# Altium PCB Cabinet_Device.PcbDoc (part 5 of 6)
Units mil, origin at the board's own origin, x right, y up, seen from the top; angles counter-clockwise.
Board outline 9999.43 x 4132.85 mil, 4 copper layers (Top Layer, Ground, Internal Plane 1, Bottom Layer), stack 30.634 mil thick; 517 components, 341 nets, 1478 pads, 1628 vias.
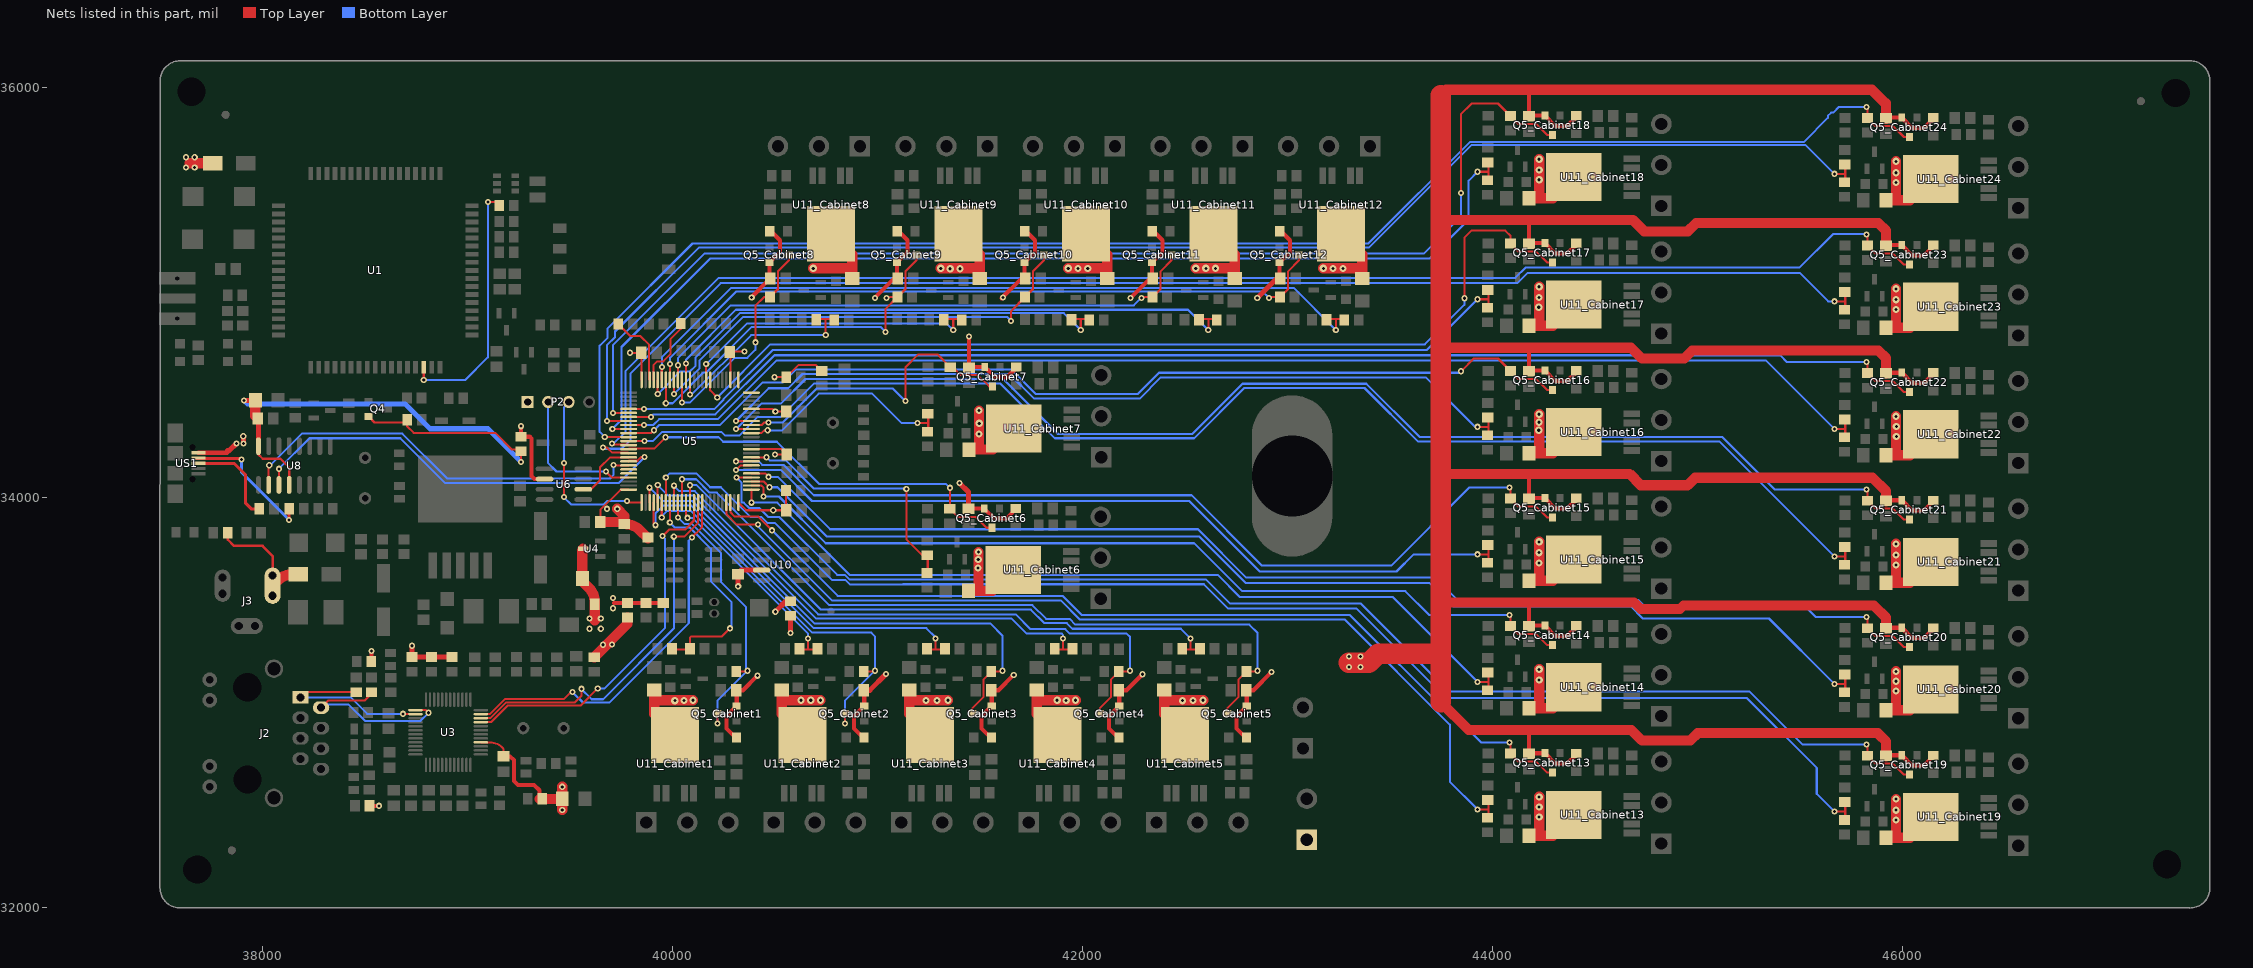
[diagram p7: the nets of this part, all layers, seen from the top]

## Via types
v1: diameter 30, hole 15, Top Layer to Bottom Layer, 1557 vias
v2: diameter 35, hole 15, Top Layer to Bottom Layer, 69 vias
v3: diameter 50, hole 28, Top Layer to Bottom Layer, 1 vias
v4: diameter 30, hole 15, Top Layer to Bottom Layer, tented both sides, 1 vias

## Nets (pads, with @x,y where several pads share a name; then routed paths per layer and width w, separated by ;. In a path a pad name is that pad's centre, name@x,y a point inside that pad or via, vN(x,y) a via of type N, cw(c..) or ccw(c..) an arc to the next point about the centre after c; other vN are vias at no path point) (continued)
SPI3_MISO: U3.34 U5.90 | length 1878.7
  Top Layer w10: U3.34@39064.88,32923.9 39111.2,32923.9 39188.3,33001 39524,33001 39555,33032 v1(39555,33067) ; v1(40006,33809) 40056.37,33809 40124.37,33877 U5.90@40124.37,33975.79
  Bottom Layer w10: v1(39555,33067) 39555,33066.23 39605.23,33016 39661,33016 40006,33361 v1(40006,33809)
SPI3_MOSI: U3.35 U5.91 | length 1853.1
  Top Layer w10: U3.35@39064.88,32943.58 39108.26,32943.58 39181.67,33017 39469,33017 v1@39507.5,33055.5 ; v1(40094,33805) 40144.06,33855.06 U5.91@40144.06,33975.79
  Bottom Layer w10: v1(39512,33051) 39563,33000 39667.63,33000 39668.63,33001 39693,33001 40079,33387 40079,33790 v1(40094,33805)
SPI3_SCK: U3.33 U5.89 | length 1816.1
  Top Layer w10: U3.33@39064.88,32904.21 39114.14,32904.21 39194.93,32985 39551,32985 v1(39635,33069) ; v1(39951,33812) 39983,33844 40061,33844 40104.68,33887.68 U5.89@40104.68,33975.79
  Bottom Layer w10: v1(39635,33069) 39669,33069 39964,33364 39964,33799 v1(39951,33812)
TCK/SWCLK: P2.3 U5.76 | length 878.1
  Top Layer w10: v1(39470,34002) v1(39470,34168) ; v1(39777,33983) 39784.21,33975.79 U5.76@39848.78,33975.79
  Bottom Layer w10: v1(39470,34002) 39507,33965 39663.23,33965 39681.23,33983 v1(39777,33983) ; v1(39470,34168) 39470,34443 P2.3@39493,34466
TMS/SWDIO: P2.2 U5.72 | length 720.7
  Top Layer w10: v1(39675,34127) 39704.17,34097.83 U5.72@39785.79,34097.83
  Bottom Layer w10: P2.2@39393,34466 39392,34465 39392,34169 39434,34127 v1(39675,34127)
TXN: J2.2 R30.1 U3.1 | length 932.2
  Top Layer w10: J2.2@38285.35,32975.24 38320.12,33010 38499,33010 38531.35,33042.35 R30.1@38531.35,33050.8 ; U3.1@38745.98,32963.27 38796.73,32963.27 v1(38810,32950)
  Bottom Layer w10: J2.2@38285.35,32975.24 38300.12,32990 38420,32990 38500,32910 38770,32910 v1(38810,32950)
TXP: J2.1 R29.1 U3.2 | length 876
  Top Layer w10: J2.1@38185.35,33025.24 38210.92,33050.8 R29.1@38456.35,33050.8 ; v1(38685,32945) 38686.42,32943.58 U3.2@38745.98,32943.58
  Bottom Layer w10: J2.1@38185.35,33025.24 38429.76,33025.24 38510,32945 v1(38685,32945)
USART1_RX: U5.69 U8.2 | length 2064.1
  Top Layer w10: U8.2@38030,34061.51 38030,34154.72 v1(38032.64,34157.36) ; v1(39711,34159) 39713.11,34156.89 U5.69@39785.79,34156.89
  Bottom Layer w10: v1(38032.64,34157.36) 38034.74,34155.26 38191.47,34312 38682,34312 38901,34093 39695,34093 39711,34109 v1(39711,34159)
USART1_TX: U5.68 U8.3 | length 2152.2
  Top Layer w10: U8.3@38080,34061.51 v1(38080,34140) ; U5.68@39785.79,34176.57 39788.57,34179.35 39828.22,34179.35 39845.87,34197 v1(39863,34197)
  Bottom Layer w10: v1(38080,34140) 38229,34289 38672.47,34289 38891.47,34070 39736,34070 v1(39863,34197)
USART2_RX: U5.26
USART2_TX: U5.25
USART3_RX: R12.1 U5.48 | length 364.1
  Top Layer w10: R12.1@39735,34846.34 39793.34,34788 39842,34788 39885.81,34744.19 39885.81,34576.55 U5.48@39888.15,34574.21
USART3_TX: R13.1 U5.47 | length 347.2
  Top Layer w10: U5.47@39907.83,34574.21 39907.83,34646.83 39925,34664 39955,34664 39989,34698 39989,34772 40040.13,34823.13 R13.1@40040.13,34849
USB1_N: R50.2 US1.2 | length 680.9
  Top Layer w15: US1.2@37663.87,34190.59 37891.41,34190.59 v1(37897,34185) ; v1(38129.57,33890.43) R50.2@38129.57,33945
  Bottom Layer w15: v1(37897,34185) 37897,34123 v1(38129.57,33890.43)
USB1_P: R51.2 US1.3 | length 492.7
  Top Layer w15: US1.3@37663.87,34165 37863,34165 37916,34112 37916,33974 37945,33945 R51.2@37984.57,33945
USB_DM: U5.70
USB_DP: U5.71
VCC4V2: CP2.1 D1.1 LR8.2 U4.3 US1.1 | length 732.2
  Top Layer w20: US1.1@37686.87,34218.18 37827.18,34218.18 37837.99,34228.99
  Top Layer w25: 37830,34228.99 37837.99,34228.99 v1(37872.5,34263.5) ; v1(37906,34299) 37907.5,34297.5 v1(37907.5,34263.5)
  Top Layer w50: 37644.09,35630.5 D1.1@37757.29,35630.5 ; U4.3@39563.66,33750 ccw(c39572.79,33740.87) 39559.88,33740.87 CP2.1@39559.88,33605 ccw(c39592.77,33605) 39569.51,33581.74 39591.14,33560.12 cw(c39520.43,33489.4) 39620.43,33489.4 LR8.2@39620.43,33480 39620.43,33401.05 cw(c39618.95,33401.05) 39620,33400
  other v1: 39595,33360 39650,33360 39595,33410 39650,33410 37626,35609.59 37669,35609.59 37626,35659.59 37669,35659.59
VCC12V: CP5_Cabinet1.1 CP5_Cabinet2.1 CP5_Cabinet3.1 CP5_Cabinet4.1 CP5_Cabinet5.1 CP5_Cabinet6.1 CP5_Cabinet7.1 CP5_Cabinet8.1 CP5_Cabinet9.1 CP5_Cabinet10.1 CP5_Cabinet11.1 CP5_Cabinet12.1 CP5_Cabinet13.1 CP5_Cabinet14.1 CP5_Cabinet15.1 CP5_Cabinet16.1 CP5_Cabinet17.1 CP5_Cabinet18.1 CP5_Cabinet19.1 CP5_Cabinet20.1 CP5_Cabinet21.1 CP5_Cabinet22.1 CP5_Cabinet23.1 CP5_Cabinet24.1 D4.1 J3.1 J3.1A J3.1B P4.1 R53.1 U11_Cabinet1.3 U11_Cabinet2.3 U11_Cabinet3.3 U11_Cabinet4.3 U11_Cabinet5.3 U11_Cabinet6.3 U11_Cabinet7.3 U11_Cabinet8.3 U11_Cabinet9.3 U11_Cabinet10.3 U11_Cabinet11.3 U11_Cabinet12.3 U11_Cabinet13.3 U11_Cabinet14.3 U11_Cabinet15.3 U11_Cabinet16.3 U11_Cabinet17.3 U11_Cabinet18.3 U11_Cabinet19.3 U11_Cabinet20.3 U11_Cabinet21.3 U11_Cabinet22.3 U11_Cabinet23.3 U11_Cabinet24.3 | length 14665.8
  Top Layer w12: R53.1@37830.43,33828 37830.43,33794.57 37861,33764 38000,33764 38049.37,33714.63 J3.1B@38049.37,33619.21
  Top Layer w20: U11_Cabinet1.3@39910.57,32745.43 39910,32746 39910,32837.43 U11_Cabinet1.3@39938.57,32866 ; U11_Cabinet2.3@40532.57,32745.43 40532,32746 40532,32837.43 U11_Cabinet2.3@40560.57,32866 ; U11_Cabinet8.3@40847.43,35263 40876,35291.57 40876,35383 U11_Cabinet8.3@40875.43,35383.57 ; U11_Cabinet3.3@41154.57,32745.43 41154,32746 41154,32837.43 U11_Cabinet3.3@41182.57,32866 ; U11_Cabinet9.3@41469.43,35263 41498,35291.57 41498,35383 U11_Cabinet9.3@41497.43,35383.57 ; U11_Cabinet6.3@41637.54,33572.76 41666.1,33544.2 41757.54,33544.2 U11_Cabinet6.3@41758.1,33544.76 ; U11_Cabinet7.3@41640,34262.57 41668.57,34234 41760,34234 U11_Cabinet7.3@41760.57,34234.57 ; U11_Cabinet4.3@41776.57,32745.43 41776,32746 41776,32837.43 U11_Cabinet4.3@41804.57,32866 ; U11_Cabinet10.3@42091.43,35263 42120,35291.57 42120,35383 U11_Cabinet10.3@42119.43,35383.57 ; U11_Cabinet5.3@42398.57,32745.43 42398,32746 42398,32837.43 U11_Cabinet5.3@42426.57,32866 ; U11_Cabinet11.3@42713.43,35263 42742,35291.57 42742,35383 U11_Cabinet11.3@42741.43,35383.57 ; U11_Cabinet12.3@43335.43,35263 43364,35291.57 43364,35383 U11_Cabinet12.3@43363.43,35383.57 ; U11_Cabinet13.3@44372,32378.57 44400.57,32350 44492,32350 U11_Cabinet13.3@44492.57,32350.57 ; U11_Cabinet14.3@44372,33000.57 44400.57,32972 44492,32972 U11_Cabinet14.3@44492.57,32972.57 ; U11_Cabinet15.3@44372,33622.57 44400.57,33594 44492,33594 U11_Cabinet15.3@44492.57,33594.57 ; U11_Cabinet16.3@44372,34244.57 44400.57,34216 44492,34216 U11_Cabinet16.3@44492.57,34216.57 ; U11_Cabinet17.3@44372,34866.57 44400.57,34838 44492,34838 U11_Cabinet17.3@44492.57,34838.57 ; U11_Cabinet18.3@44372,35488.57 44400.57,35460 44492,35460 U11_Cabinet18.3@44492.57,35460.57 ; U11_Cabinet19.3@46113,32368.57 46141.57,32340 46233,32340 U11_Cabinet19.3@46233.57,32340.57 ; U11_Cabinet20.3@46113,32990.57 46141.57,32962 46233,32962 U11_Cabinet20.3@46233.57,32962.57 ; U11_Cabinet21.3@46113,33612.57 46141.57,33584 46233,33584 U11_Cabinet21.3@46233.57,33584.57 ; U11_Cabinet22.3@46113,34234.57 46141.57,34206 46233,34206 U11_Cabinet22.3@46233.57,34206.57 ; U11_Cabinet23.3@46113,34856.57 46141.57,34828 46233,34828 U11_Cabinet23.3@46233.57,34828.57 ; U11_Cabinet24.3@46113,35478.57 46141.57,35450 46233,35450 U11_Cabinet24.3@46233.57,35450.57
  Top Layer w50: J3.1A@38049.37,33520.79 J3.1@38049.37,33570 38075.08,33595.71 cw(c38145.79,33525) D4.1@38145.79,33625 ; CP5_Cabinet1.1@39910.13,33060.88 39910.13,33022 ; U11_Cabinet1.3@40012.57,32842 39910.13,32944.43 39910.13,33022 ; v2(40100,33011) 39921.13,33011 39910.13,33022 ; CP5_Cabinet2.1@40532.13,33060.88 40532.13,33022 ; U11_Cabinet2.3@40634.57,32842 40532.13,32944.43 40532.13,33022 ; v2(40686,35118) 40864.87,35118 40875.87,35107 ; v2(40722,33011) 40543.13,33011 40532.13,33022 ; U11_Cabinet8.3@40773.43,35287 40875.87,35184.57 40875.87,35107 ; CP5_Cabinet8.1@40875.87,35068.12 40875.87,35107 ; CP5_Cabinet3.1@41154.13,33060.88 41154.13,33022 ; U11_Cabinet3.3@41256.57,32842 41154.13,32944.43 41154.13,33022 ; v2(41308,35118) 41486.87,35118 41497.87,35107 ; v2(41344,33011) 41165.13,33011 41154.13,33022 ; U11_Cabinet9.3@41395.43,35287 41497.87,35184.57 41497.87,35107 ; CP5_Cabinet6.1@41442.65,33544.33 41481.54,33544.33 ; CP5_Cabinet7.1@41445.12,34234.13 41484,34234.13 ; v2(41492.54,33734.2) 41492.54,33555.33 41481.54,33544.33 ; v2(41495,34424) 41495,34245.13 41484,34234.13 ; CP5_Cabinet9.1@41497.87,35068.12 41497.87,35107 ; U11_Cabinet6.3@41661.54,33646.76 41559.1,33544.33 41481.54,33544.33 ; U11_Cabinet7.3@41664,34336.57 41561.57,34234.13 41484,34234.13 ; CP5_Cabinet4.1@41776.13,33060.88 41776.13,33022 ; U11_Cabinet4.3@41878.57,32842 41776.13,32944.43 41776.13,33022 ; v2(41930,35118) 42108.87,35118 42119.87,35107 ; v2(41966,33011) 41787.13,33011 41776.13,33022 ; U11_Cabinet10.3@42017.43,35287 42119.87,35184.57 42119.87,35107 ; CP5_Cabinet10.1@42119.87,35068.12 42119.87,35107 ; CP5_Cabinet5.1@42398.13,33060.88 42398.13,33022 ; U11_Cabinet5.3@42500.57,32842 42398.13,32944.43 42398.13,33022 ; v2(42552,35118) 42730.87,35118 42741.87,35107 ; v2(42588,33011) 42409.13,33011 42398.13,33022 ; U11_Cabinet11.3@42639.43,35287 42741.87,35184.57 42741.87,35107 ; CP5_Cabinet11.1@42741.87,35068.12 42741.87,35107 ; v2(43174,35118) 43352.87,35118 43363.87,35107 ; U11_Cabinet12.3@43261.43,35287 43363.87,35184.57 43363.87,35107 ; CP5_Cabinet12.1@43363.87,35068.12 43363.87,35107 ; CP5_Cabinet13.1@44177.12,32350.13 44216,32350.13 ; CP5_Cabinet14.1@44177.12,32972.13 44216,32972.13 ; CP5_Cabinet15.1@44177.12,33594.13 44216,33594.13 ; CP5_Cabinet16.1@44177.12,34216.13 44216,34216.13 ; CP5_Cabinet17.1@44177.12,34838.13 44216,34838.13 ; CP5_Cabinet18.1@44177.12,35460.13 44216,35460.13 ; v2(44227,32540) 44227,32361.13 44216,32350.13 ; v2(44227,33162) 44227,32983.13 44216,32972.13 ; v2(44227,33784) 44227,33605.13 44216,33594.13 ; v2(44227,34406) 44227,34227.13 44216,34216.13 ; v2(44227,35028) 44227,34849.13 44216,34838.13 ; v2(44227,35650) 44227,35471.13 44216,35460.13 ; U11_Cabinet13.3@44396,32452.57 44293.57,32350.13 44216,32350.13 ; U11_Cabinet14.3@44396,33074.57 44293.57,32972.13 44216,32972.13 ; U11_Cabinet15.3@44396,33696.57 44293.57,33594.13 44216,33594.13 ; U11_Cabinet16.3@44396,34318.57 44293.57,34216.13 44216,34216.13 ; U11_Cabinet17.3@44396,34940.57 44293.57,34838.13 44216,34838.13 ; U11_Cabinet18.3@44396,35562.57 44293.57,35460.13 44216,35460.13 ; CP5_Cabinet19.1@45918.12,32340.13 45957,32340.13 ; CP5_Cabinet20.1@45918.12,32962.13 45957,32962.13 ; CP5_Cabinet21.1@45918.12,33584.13 45957,33584.13 ; CP5_Cabinet22.1@45918.12,34206.13 45957,34206.13 ; CP5_Cabinet23.1@45918.12,34828.13 45957,34828.13 ; CP5_Cabinet24.1@45918.12,35450.13 45957,35450.13 ; v2(45968,32530) 45968,32351.13 45957,32340.13 ; v2(45968,33152) 45968,32973.13 45957,32962.13 ; v2(45968,33774) 45968,33595.13 45957,33584.13 ; v2(45968,34396) 45968,34217.13 45957,34206.13 ; v2(45968,35018) 45968,34839.13 45957,34828.13 ; v2(45968,35640) 45968,35461.13 45957,35450.13 ; U11_Cabinet19.3@46137,32442.57 46034.57,32340.13 45957,32340.13 ; U11_Cabinet20.3@46137,33064.57 46034.57,32962.13 45957,32962.13 ; U11_Cabinet21.3@46137,33686.57 46034.57,33584.13 45957,33584.13 ; U11_Cabinet22.3@46137,34308.57 46034.57,34206.13 45957,34206.13 ; U11_Cabinet23.3@46137,34930.57 46034.57,34828.13 45957,34828.13 ; U11_Cabinet24.3@46137,35552.57 46034.57,35450.13 45957,35450.13
  other v2: 45968,32427 44227,32442 45968,32475 44227,32490 40011,33009 42487,33009 40055,33010 41236,33010 41289,33010 41920,33010 42538,33010 40627,33011 40674,33011 41876,33011 45968,33056 45968,33104 44227,33110 41490,33656 45967,33671 44226,33680 41491,33697 45967,33719 44226,33731 45969,34298 41494,34310 44225,34328 45969,34346 41496,34362 44226,34367 45968,34917 44225,34928 45968,34965 44226,34976 41354,35116 41402,35116 41977,35117 42025,35117 43222,35117 43270,35117 42601,35118 42649,35118 45968,35536 44227,35550 45968,35584 44227,35598
VDD: C23.1 CP1.1 LR1.2 LR2.2 R16.1 R17.1 R18.1 R19.1 R33.1 R34.1 U3.28 | length 1298.7
  Top Layer w10: U3.28@39064.88,32805.79 39108.18,32805.79 cw(c39108.18,32717.74) 39170.43,32780 cw(c39158.36,32767.93) 39175.43,32767.93 C23.1@39175.43,32747.4
  Top Layer w20: R34.1@38521.79,32496.24 v1(38568.76,32496.24) ; R33.1@38530.87,33200 v1(38530.87,33251.87) ; C23.1@39175,32737.4 39207.6,32737.4 39226,32719 39226,32618 39246,32598 39325,32598 39350.87,32572.13 LR1.2@39350.87,32530
  Top Layer w25: v1(38728.87,33277.13) R18.1@38728.87,33221.67 R17.1@38823.87,33221.67 R16.1@38923.87,33221.67
  Top Layer w50: LR1.2@39350.87,32530 LR1.2@39364.43,32530 CP1.1@39435.32,32530 ; v1(39461.88,32476.12) CP1.1@39461.88,32531 v1(39461.88,32588.88) ; R19.1@39618,33221.43 39780,33383.43 LR2.2@39780,33414.57
  other v1: 39660,33282 39705,33283
VDD3V3: C26.1 C27.1 C28.1 C29.1 C30.1 C31.1 C47.1 LR2.1 LR3.1 LR4.1 LR5.1 LR7.1 P2.1 R35.1 R36.2 R38.1 R42.1 R43.1 U5.11 U5.21 U5.28 U5.50 U5.75 U5.100 U6.2 U10.3 | length 2885.6
  Top Layer w10: C27.1@39647.4,33880 39647.4,33939.4 39746.78,34038.78 U5.75@39785.79,34038.78 ; v1(39792,34706) C29.1@39847.6,34706 39848.78,34704.82 U5.50@39848.78,34574.21 ; U5.28@40281.85,34574.21 40281.85,34705.55 C30.1@40278.4,34709 40279.4,34708 40284.4,34713 v1(40351,34713) ; U5.100@40321.22,33975.79 40359.01,33938 v1(40491,33938) C28.1@40554.6,33938 40553.57,33939.03 R35.1@40553.57,34034 ; U5.11@40384.21,34235.63 40530.97,34235.63 C26.1@40556.6,34210 v1(40500,34210) ; U5.21@40384.21,34432.48 40487.52,34432.48 v1(40501,34419) C31.1@40555.6,34419 ; v1(40498,34587) LR5.1@40554.57,34587 40613.57,34646 40699.43,34646 R36.2@40728,34617.43
  Top Layer w20: v1(39261,34348) LR7.1@39261,34296.43 39303.57,34296.43 39312,34288 39312,34105 39327,34090 U6.2@39375.51,34090 ; 39715,33485 cw(c39716.05,33483.95) 39716.05,33485.43 LR2.1@39780,33485.43 R43.1@39870,33485.43 R42.1@39955,33485.43
  Top Layer w25: v1@40320,33575 40320,33630.6 40335.4,33646 U10.3@40434.51,33646 ; v4(40501,33443) 40551.43,33493.43 LR4.1@40575,33493.43
  Top Layer w50: C27.1@39647.4,33880 39741.9,33880 cw(c39741.9,33847.34) LR3.1@39765,33870.43 ; v1(39730,33945) 39765,33910 LR3.1@39765,33870.43 ; R38.1@39880,33800.43 39839.29,33841.14 ccw(c39768.58,33770.43) 39768.58,33870.43 LR3.1@39765,33870.43
  other v1: 39710,33460 39710,33510 40320,33567 39680,33945
VDD_D: C39.1 CP4.1 LR7.2 Q4.2 R44.2 U8.4 U8.16 | length 2958.9
  Top Layer w10: R44.2@38704.57,34380 38704.57,34347.43 38737,34315 39135,34315 39216,34234 39252.57,34234 LR7.2@39261,34225.57 v1(39261,34174)
  Top Layer w12: U8.16@37980,34250.49 37980,34210 38001,34189 38087,34189 38130,34146 U8.4@38130,34061.51 ; Q4.2@38517.76,34394.6 38546.35,34366 38690.57,34366 R44.2@38704.57,34380
  Top Layer w25: v1(37909,34474) CP4.1@37964.88,34474 ; C39.1@37964.88,34397.72 C39.1@37977.6,34385 37980,34382.6 U8.16@37980,34250.49
  Top Layer w50: C39.1@37964.88,34397.72 CP4.1@37964.88,34474
  Bottom Layer w25: v1(37909,34474) 37926,34457 38695,34457 38816.5,34335.5 39099.5,34335.5 v1(39261,34174)
VDD_EXT_2.8V: R6.1 U1.15 | length 1240.5
  Top Layer w10: v1(38786.22,34573.22) U1.15@38786.22,34635.47 ; v1(39099,35441) 39137.57,35441 R6.1@39154.57,35424
  Bottom Layer w10: v1(38786.22,34573.22) 38988.22,34573.22 39099,34684 v1(39099,35441)
VDOOR: C48_Cabinet1.1 C48_Cabinet2.1 C48_Cabinet3.1 C48_Cabinet4.1 C48_Cabinet5.1 C48_Cabinet6.1 C48_Cabinet7.1 C48_Cabinet8.1 C48_Cabinet9.1 C48_Cabinet10.1 C48_Cabinet11.1 C48_Cabinet12.1 C48_Cabinet13.1 C48_Cabinet14.1 C48_Cabinet15.1 C48_Cabinet16.1 C48_Cabinet17.1 C48_Cabinet18.1 C48_Cabinet19.1 C48_Cabinet20.1 C48_Cabinet21.1 C48_Cabinet22.1 C48_Cabinet23.1 C48_Cabinet24.1 LED4_Cabinet1.1 LED4_Cabinet2.1 LED4_Cabinet3.1 LED4_Cabinet4.1 LED4_Cabinet5.1 LED4_Cabinet6.1 LED4_Cabinet7.1 LED4_Cabinet8.1 LED4_Cabinet9.1 LED4_Cabinet10.1 LED4_Cabinet11.1 LED4_Cabinet12.1 LED4_Cabinet13.1 LED4_Cabinet14.1 LED4_Cabinet15.1 LED4_Cabinet16.1 LED4_Cabinet17.1 LED4_Cabinet18.1 LED4_Cabinet19.1 LED4_Cabinet20.1 LED4_Cabinet21.1 LED4_Cabinet22.1 LED4_Cabinet23.1 LED4_Cabinet24.1 LR4.2 Q5_Cabinet1.2 Q5_Cabinet2.2 Q5_Cabinet3.2 Q5_Cabinet4.2 Q5_Cabinet5.2 Q5_Cabinet6.2 Q5_Cabinet7.2 Q5_Cabinet8.2 Q5_Cabinet9.2 Q5_Cabinet10.2 Q5_Cabinet11.2 Q5_Cabinet12.2 Q5_Cabinet13.2 Q5_Cabinet14.2 Q5_Cabinet15.2 Q5_Cabinet16.2 Q5_Cabinet17.2 Q5_Cabinet18.2 Q5_Cabinet19.2 Q5_Cabinet20.2 Q5_Cabinet21.2 Q5_Cabinet22.2 Q5_Cabinet23.2 Q5_Cabinet24.2 | length 27393.2
  Top Layer w20: C48_Cabinet1.1@40300.97,33060 40312.81,33048.16 Q5_Cabinet1.2@40312.81,32983.4 40262.57,32933.16 40262.57,32874 40306.57,32830 LED4_Cabinet1.1@40312.07,32830 ; C48_Cabinet1.1@40309.97,33060 40344,33060 v1(40415,33131) ; v1(40385.97,34975) 40384,34976.97 C48_Cabinet8.1@40476.03,35069 ; LED4_Cabinet8.1@40473.93,35299 40479.43,35299 40523.43,35255 40523.43,35195.84 Q5_Cabinet8.2@40473.19,35145.6 40473.19,35080.84 C48_Cabinet8.1@40485.03,35069 ; C48_Cabinet2.1@40922.97,33060 40934.81,33048.16 Q5_Cabinet2.2@40934.81,32983.4 40884.57,32933.16 40884.57,32874 40928.57,32830 LED4_Cabinet2.1@40934.07,32830 ; v1@40984,34973 41080,35069 C48_Cabinet9.1@41098.03,35069 ; LED4_Cabinet9.1@41095.93,35299 41101.43,35299 41145.43,35255 41145.43,35195.84 Q5_Cabinet9.2@41095.19,35145.6 41095.19,35080.84 C48_Cabinet9.1@41107.03,35069 ; C48_Cabinet6.1@41443.54,33935.17 41455.38,33947.01 Q5_Cabinet6.2@41520.13,33947.01 41570.38,33896.76 41629.54,33896.76 41673.54,33940.76 LED4_Cabinet6.1@41673.54,33946.27 ; C48_Cabinet7.1@41446,34624.97 41457.84,34636.81 Q5_Cabinet7.2@41522.6,34636.81 41572.84,34586.57 41632,34586.57 41676,34630.57 LED4_Cabinet7.1@41676,34636.07 ; C48_Cabinet7.1@41446,34633.97 v1(41446,34785) ; C48_Cabinet3.1@41544.97,33060 41556.81,33048.16 Q5_Cabinet3.2@41556.81,32983.4 41506.57,32933.16 41506.57,32874 41550.57,32830 LED4_Cabinet3.1@41556.07,32830 ; C48_Cabinet3.1@41553.97,33060 41589,33060 v1(41664,33135) ; v1@41605,34972 41702,35069 C48_Cabinet10.1@41720.03,35069 ; LED4_Cabinet10.1@41717.93,35299 41723.43,35299 41767.43,35255 41767.43,35195.84 Q5_Cabinet10.2@41717.19,35145.6 41717.19,35080.84 C48_Cabinet10.1@41729.03,35069 ; C48_Cabinet4.1@42166.97,33060 42178.81,33048.16 Q5_Cabinet4.2@42178.81,32983.4 42128.57,32933.16 42128.57,32874 42172.57,32830 LED4_Cabinet4.1@42178.07,32830 ; C48_Cabinet4.1@42175.97,33060 42214,33060 v1(42292,33138) ; v1(42233,34973) 42329,35069 C48_Cabinet11.1@42342.03,35069 ; LED4_Cabinet11.1@42339.93,35299 42345.43,35299 42389.43,35255 42389.43,35195.84 Q5_Cabinet11.2@42339.19,35145.6 42339.19,35080.84 C48_Cabinet11.1@42351.03,35069 ; C48_Cabinet5.1@42788.97,33060 42800.81,33048.16 Q5_Cabinet5.2@42800.81,32983.4 42750.57,32933.16 42750.57,32874 42794.57,32830 LED4_Cabinet5.1@42800.07,32830 ; C48_Cabinet5.1@42797.97,33060 42833,33060 v1(42922,33149) ; LED4_Cabinet12.1@42961.93,35299 42967.43,35299 43011.43,35255 43011.43,35195.84 Q5_Cabinet12.2@42961.19,35145.6 42961.19,35080.84 C48_Cabinet12.1@42973.03,35069 ; 44170,34731 44178,34723 C48_Cabinet16.1@44178,34615.97 ; 44176,35989 44178,35987 C48_Cabinet18.1@44178,35859.97 ; C48_Cabinet13.1@44178,32749.97 44178,32861 ; C48_Cabinet14.1@44178,33362.97 44189.84,33374.81 Q5_Cabinet14.2@44254.6,33374.81 44304.84,33324.57 44364,33324.57 44408,33368.57 LED4_Cabinet14.1@44408,33374.07 ; C48_Cabinet14.1@44178,33371.97 44178,33482 ; C48_Cabinet15.1@44178,33984.97 44189.84,33996.81 Q5_Cabinet15.2@44254.6,33996.81 44304.84,33946.57 44364,33946.57 44408,33990.57 LED4_Cabinet15.1@44408,33996.07 ; C48_Cabinet15.1@44178,33993.97 44178,34113 44180,34115 ; C48_Cabinet16.1@44178,34606.97 44189.84,34618.81 Q5_Cabinet16.2@44254.6,34618.81 44304.84,34568.57 44364,34568.57 44408,34612.57 LED4_Cabinet16.1@44408,34618.07 ; C48_Cabinet17.1@44178,35228.97 44189.84,35240.81 Q5_Cabinet17.2@44254.6,35240.81 44304.84,35190.57 44364,35190.57 44408,35234.57 LED4_Cabinet17.1@44408,35240.07 ; C48_Cabinet17.1@44178,35237.97 44178,35335 44197,35354 ; C48_Cabinet18.1@44178,35850.97 44189.84,35862.81 Q5_Cabinet18.2@44254.6,35862.81 44304.84,35812.57 44364,35812.57 44408,35856.57 LED4_Cabinet18.1@44408,35862.07 ; C48_Cabinet13.1@44189.84,32752.81 Q5_Cabinet13.2@44254.6,32752.81 44304.84,32702.57 44364,32702.57 44408,32746.57 LED4_Cabinet13.1@44408,32752.07 ; C48_Cabinet19.1@45919,32730.97 45930.84,32742.81 Q5_Cabinet19.2@45995.6,32742.81 46045.84,32692.57 46105,32692.57 46149,32736.57 LED4_Cabinet19.1@46149,32742.07 ; C48_Cabinet20.1@45919,33352.97 45930.84,33364.81 Q5_Cabinet20.2@45995.6,33364.81 46045.84,33314.57 46105,33314.57 46149,33358.57 LED4_Cabinet20.1@46149,33364.07 ; C48_Cabinet21.1@45919,33974.97 45930.84,33986.81 Q5_Cabinet21.2@45995.6,33986.81 46045.84,33936.57 46105,33936.57 46149,33980.57 LED4_Cabinet21.1@46149,33986.07 ; C48_Cabinet22.1@45919,34596.97 45930.84,34608.81 Q5_Cabinet22.2@45995.6,34608.81 46045.84,34558.57 46105,34558.57 46149,34602.57 LED4_Cabinet22.1@46149,34608.07 ; C48_Cabinet23.1@45919,35218.97 45930.84,35230.81 Q5_Cabinet23.2@45995.6,35230.81 46045.84,35180.57 46105,35180.57 46149,35224.57 LED4_Cabinet23.1@46149,35230.07 ; C48_Cabinet24.1@45919,35840.97 45930.84,35852.81 Q5_Cabinet24.2@45995.6,35852.81 46045.84,35802.57 46105,35802.57 46149,35846.57 LED4_Cabinet24.1@46149,35852.07
  Top Layer w25: v1(40575,33340) LR4.2@40575,33422.57 ; C48_Cabinet2.1@40931.97,33060 40962,33060 v1(41041,33139) ; v1(41400,34070) 41443.54,34026.46 C48_Cabinet6.1@41443.54,33944.17 ; v1(42852,34973) 42948,35069 C48_Cabinet12.1@42964.03,35069 ; 45000,32841 45888,32841